# Altium PCB HIL_RIG_REV_1_2.PcbDoc (part 1 of 14) (continued)
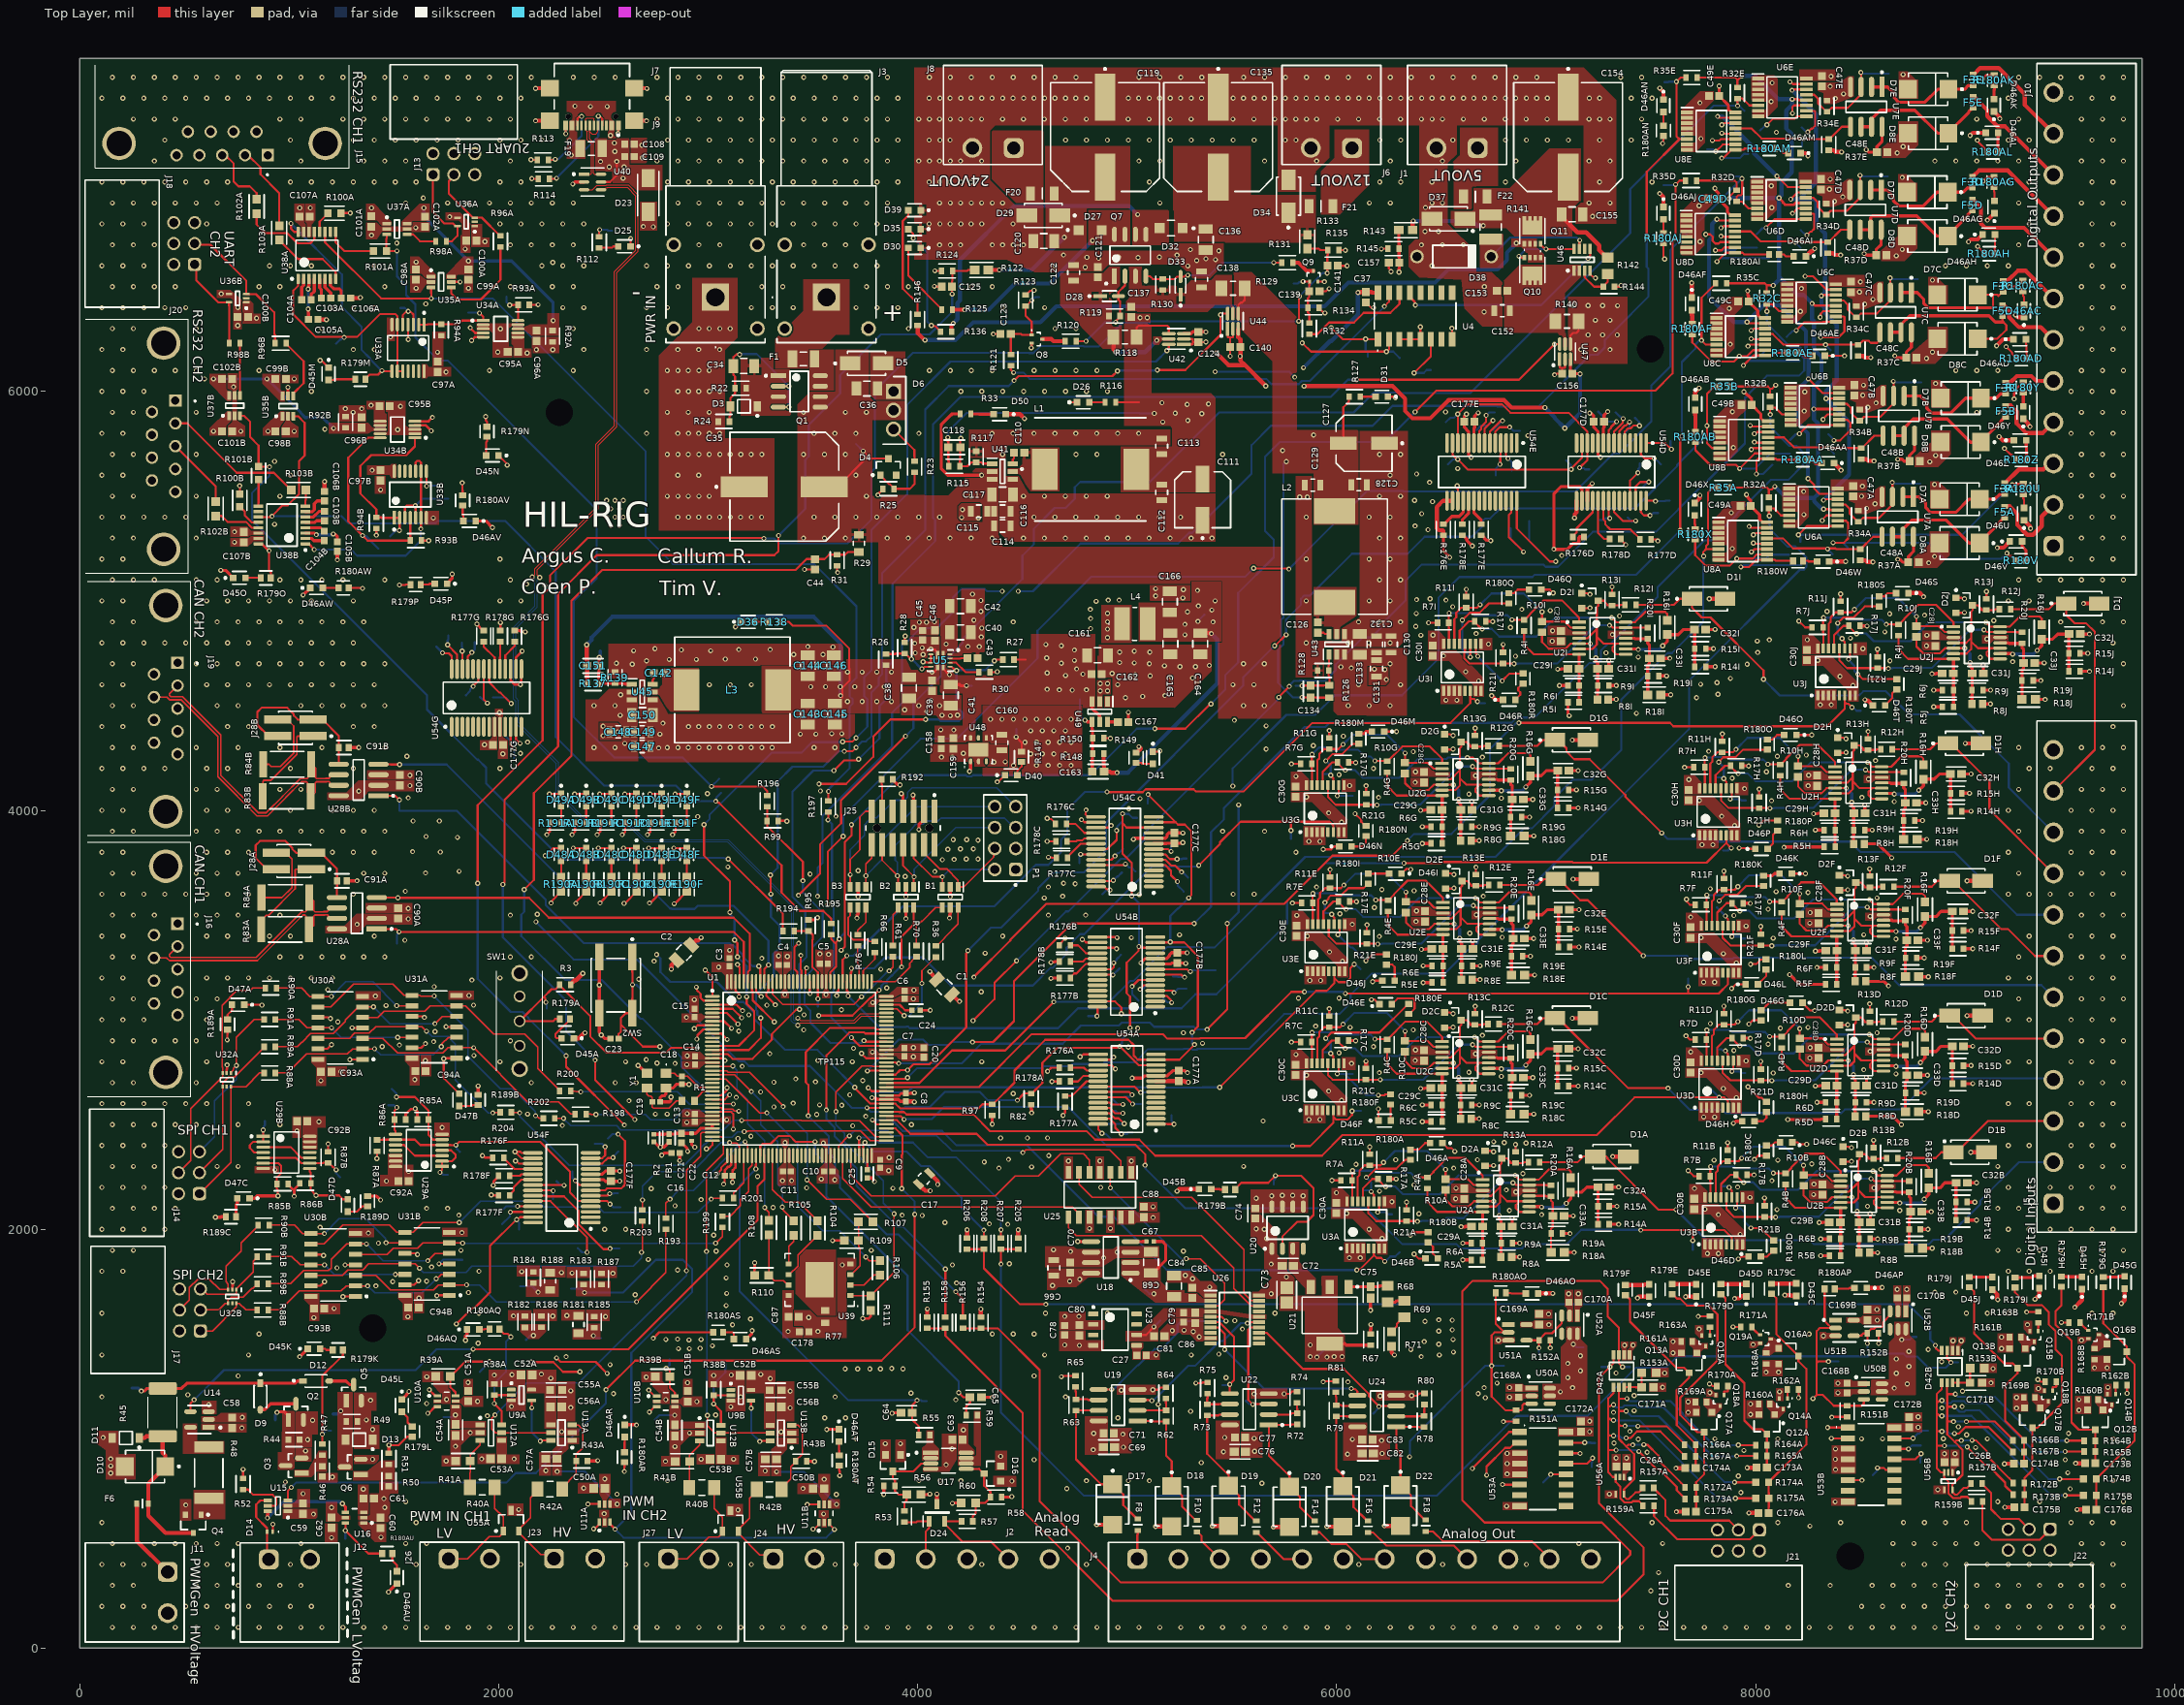
[diagram p0: Top Layer view]
## Design rules (kind name [scope] priority, off if disabled: settings) (continued)
Width QSPI_Controlled_Impedence [InNetClass('QSPI_NET_CLASS')] p3: maxlimit=20.53 minlimit=6.12 preferedwidth=20.53 toplayer_maxwidth=6.12 toplayer_prefwidth=6.12 midlayer1_minwidth=20.53 midlayer2_minwidth=20.53 bottomlayer_maxwidth=6.12 bottomlayer_prefwidth=6.12 impedanceprofiledriven=TRUE impedanceprofileid={D35CEFCE-DBD3-4171-97E0-628DD17F31B4} impedanceprofilevalue=50.000000 minimp=50.000000 maximp=50.000000 favimp=50.000000
Width PWR_SENSE_ANALOG_width [InNetClass('PWR_SENSE_ANALOG')] p4: maxlimit=15 minlimit=6 preferedwidth=10
Width PWR_CONTROL_width [InNetClass('PWR_CONTROL')] p5: maxlimit=20 minlimit=6 preferedwidth=10
Width PWR_CONVERTER_LOCAL_width [InNetClass('PWR_CONVERTER_LOCAL')] p6: maxlimit=40 minlimit=8 preferedwidth=12
Width PWR_SWITCHING_NODE_width [InNetClass('PWR_SWITCHING_NODE')] p7: maxlimit=120 minlimit=15 preferedwidth=30
Width PWR_INTERNAL_SUPPLY_width [InNetClass('PWR_INTERNAL_SUPPLY')] p8: maxlimit=100 minlimit=10 preferedwidth=20
Width PWR_OUTPUT_SUPPLY_width [InNetClass('PWR_OUTPUT_SUPPLY')] p9: maxlimit=200 minlimit=20 preferedwidth=40
Width DefaultWidth [All] p10: maxlimit=50 minlimit=6 preferedwidth=10 minimp=50.000000 maximp=50.000000 favimp=50.000000 // Default Trace Width
16 further rules are at their usual default settings.

## Classes and differential pairs
differential pair class USB_DIFF_PAIR: CON_D USB_D
differential pair class CAN_DIFF_PAIR: CAN_OUTA CAN_OUTB
net class PWM_CAPTURE_NET_CLASS: PWM_IN_HVA PWM_IN_HVB PWM_IN_LVA PWM_IN_LVB VSENSE_HVA VSENSE_HVB VSENSE_LVA VSENSE_LVB
net class SPI_NET_CLASS: AO_MCU_nCS AO_MCU_SCK AO_MCU_SDI DAC_nCS DAC_SCK DAC_SDI MCU_SPI_MISO_RAW_CH1 MCU_SPI_MISO_RAW_CH2 MCU_SPI_MOSI_RAW_CH1 MCU_SPI_MOSI_RAW_CH2 MCU_SPI_NCS_RAW_CH1 MCU_SPI_NCS_RAW_CH2 MCU_SPI_SCLK_RAW_CH1 MCU_SPI_SCLK_RAW_CH2 SPI_MISO_OUT_UNPROTECTEDA SPI_MISO_OUT_UNPROTECTEDB SPI_MISO_OUTA SPI_MISO_OUTB SPI_MISOA SPI_MISOB SPI_MOSI_OUT_UNPROTECTEDA SPI_MOSI_OUT_UNPROTECTEDB SPI_MOSI_OUTA SPI_MOSI_OUTB SPI_MOSIA SPI_MOSIB SPI_NCS_OUT_UNPROTECTEDA SPI_NCS_OUT_UNPROTECTEDB SPI_NCS_OUTA SPI_NCS_OUTB SPI_NCSA SPI_NCSB SPI_SCLK_OUT_UNPROTECTEDA SPI_SCLK_OUT_UNPROTECTEDB SPI_SCLK_OUTA SPI_SCLK_OUTB SPI_SCLKA SPI_SCLKB
net class QSPI_NET_CLASS: QSPI_IO0 QSPI_IO0_FLASH QSPI_IO1 QSPI_IO1_FLASH QSPI_IO2 QSPI_IO2_FLASH QSPI_IO3 QSPI_IO3_FLASH QSPI_NCS QSPI_SCK QSPI_SCK_FLASH
component class LED_TTL_EN2: D45P R179P
component class LED_10K_SEL2: D45J R179J
component class LED_TTL_EN1: D45N R179N
component class LED_RS232_EN2: D45O R179O
net class PWR_CONTROL: 5V_OUT_common_gate 5V_OUT_EN 5V_RAIL_SMPS_EN 12V_base 12V_gate 12V_OUT_EN 12V_OUT_EN_Filtered 12V_OUT_Gate 24V_base 24V_gate 24V_OUT_EN 24V_OUT_EN_Filtered 24V_OUT_Gate NMOS_gate THYRISTOR_GATE VIN_Polarity_Gate
net class PWR_SENSE_ANALOG: 3V3_Feedback 5V_Feedback 5V_OUT_Current_ADC 5V_OUT_Volt_ADC 5V_OV_detect 12V_Feedback 12V_OUT_Current_ADC 12V_OUT_Volt_ADC 24V_Feedback 24V_OUT_Current_ADC 24V_OUT_Volt_ADC VIN_ADC
net class PWR_CONVERTER_LOCAL: 3V3_VBST 5V_CB 12V_CB 24V_CB
net class PWR_SWITCHING_NODE: 3V3_SW 5V_SW 12V_SW 24V_SW
net class PWR_OUTPUT_SUPPLY: 5V_OUT 5V_OUT_common_source 5V_OUT_shunted 5V_OUT_unfused 12V_OUT 12V_OUT_Collector 12V_OUT_Drain 12V_OUT_Rectified 12V_OUT_Shunted 24V_OUT 24V_OUT_Collector 24V_OUT_Drain 24V_OUT_Rectified 24V_OUT_Shunted
net class PWR_INTERNAL_SUPPLY: 3V3 5V 5V_REGULATED 12V 24V VDD_REGULATED
component class "Room Definition4": B1 B2 B3 J25 P1 R192
component class "Room Definition3": D48A D48B D48C D48D D48E D48F D49A D49B D49C D49D D49E D49F R190A R190B R190C R190D R190E R190F R191A R191B R191C R191D R191E R191F
component class "Room Definition2": D48A D48B D48C D48D D48E D48F D49A D49B D49C D49D D49E D49F R190B R190C R190D R190E R190F R191A R191B R191C R191D R191E R191F
component class "Room Definition1": B1 B2 B3 J25 R192
component class PowerOutput: C37 C119 C120 C121 C122 C123 C124 C125 C135 C136 C137 C138 C139 C140 C141 C152 C153 C154 C155 C156 C157 D27 D28 D29 D30 D32 D33 D34 D35 D37 D38 D39 F20 F21 F22 J1 J6 J8 Q7 Q8 Q9 Q10 Q11 R118 R119 R120 R121 R122 R123 R124 R125 R129 R130 R131 R132 R133 R134 R135 R136 R140 R141 R142 R143 R144 R145 R146 TP10 TP11 TP12 TP65 TP68 TP71 U4 U42 U44 U46 U47
component class 24V_Generation: C110 C111 C112 C113 C114 C115 C116 C117 C118 D26 L1 R115 R116 R117 TP63 TP64 U41
component class 12V_Generation: C126 C127 C128 C129 C130 C131 C132 C133 C134 D31 L2 R126 R127 R128 TP66 TP67 U43
component class 5V_Generation: C142 C143 C144 C145 C146 C147 C148 C149 C150 C151 D36 L3 R137 R138 R139 TP69 TP70 U45
component class USB: C108 C109 D25 F19 J9 R112 R113 R114 TP62 U40
component class 5V_Source_Selection: C38 C39 C40 C41 C42 C43 C45 C46 R26 R27 R28 R30 TP13 TP14 U5
component class Power_Input: C34 C35 C36 C44 D3 D4 D5 D6 F1 J3 J7 Q1 R22 R23 R24 R25 R29 R31 TP9
component class LED_VSEL_S110: D46T R180T
component class LED_VSEL_S19: D46R R180R
component class LED_VSEL_S18: D46P R180P
component class LED_VSEL_S17: D46N R180N
component class LED_VSEL_S16: D46L R180L
component class LED_VSEL_S15: D46J R180J
component class LED_VSEL_S14: D46H R180H
component class LED_VSEL_S13: D46F R180F
component class LED_VSEL_S12: D46D R180D
component class LED_VSEL_S11: D46B R180B
component class LED_VSEL_S010: D46S R180S
component class LED_VSEL_S09: D46Q R180Q
component class LED_VSEL_S08: D46O R180O
component class LED_VSEL_S07: D46M R180M
component class LED_VSEL_S06: D46K R180K
component class LED_VSEL_S05: D46I R180I
component class LED_VSEL_S04: D46G R180G
component class LED_VSEL_S03: D46E R180E
component class LED_VSEL_S02: D46C R180C
component class LED_VSEL_S01: D46A R180A
component class LED_UART_MODE12: D46AW R180AW
component class LED_UART_MODE11: D46AV R180AV
component class LED_PWM_GEN_24V_EN: D45L R179L
component class LED_2K2_SEL2: D45H R179H
component class LED_SPI_SLAVE_EN2: D47D R189D
component class LED_SPI_SLAVE_EN1: D47B R189B
component class LED_SPI_MASTER_EN2: D47C R189C
component class LED_SPI_MASTER_EN1: D47A R189A
component class LED_RS232_EN1: D45M R179M
component class LED_PWM_GEN_12V_EN: D45K R179K
component class LED_Red_5: D48F R190F
component class LED_Red_4: D48E R190E
component class LED_Red_3: D48D R190D
component class LED_Red_2: D48C R190C
component class LED_Red_1: D48B R190B
component class LED_Red_0: D48A R190A
component class LED_PWM_MODE_12: D46AT R180AT
component class LED_PWM_MODE_11: D46AR R180AR
component class LED_PWM_MODE_02: D46AS R180AS
component class LED_PWM_MODE_01: D46AQ R180AQ
component class LED_PWM_GEN_24V_EN: D45H R179H
component class LED_1k_SEL2: D45G R179G
component class LED_LV_VSEL: D46AU R180AU
component class LED_I2C_V_SEL2: D46AP R180AP
component class LED_I2C_V_SEL1: D46AO R180AO
component class LED_DO_B_VSEL_A15: D46AN R180AN
component class LED_DO_B_VSEL_A14: D46AJ R180AJ
component class LED_DO_B_VSEL_A13: D46AF R180AF
component class LED_DO_B_VSEL_A12: D46AB R180AB
component class LED_DO_B_VSEL_A11: D46X R180X
component class LED_DO_B_VSEL_A05: D46AM R180AM
component class LED_DO_B_VSEL_A04: D46AI R180AI
component class LED_DO_B_VSEL_A03: D46AE R180AE
component class LED_DO_B_VSEL_A02: D46AA R180AA
component class LED_DO_B_VSEL_A01: D46W R180W
component class LED_DO_A_VSEL_A15: D46AL R180AL
component class LED_DO_A_VSEL_A14: D46AH R180AH
component class LED_DO_A_VSEL_A13: D46AD R180AD
component class LED_DO_A_VSEL_A12: D46Z R180Z
component class LED_DO_A_VSEL_A11: D46V R180V
component class LED_DO_A_VSEL_A05: D46AK R180AK
component class LED_DO_A_VSEL_A04: D46AG R180AG
component class LED_DO_A_VSEL_A03: D46AC R180AC
component class LED_DO_A_VSEL_A02: D46Y R180Y
component class LED_DO_A_VSEL_A01: D46U R180U
component class LED_Blue_5: D49F R191F
component class LED_Blue_4: D49E R191E
component class LED_Blue_3: D49D R191D
component class LED_Blue_2: D49C R191C
component class LED_Blue_1: D49B R191B
component class LED_Blue_0: D49A R191A
component class LED_AO_EN2: D45B R179B
component class LED_AO_EN1: D45A R179A
component class LED_10K_SEL1: D45D
component class LED_10K_SEL1: D45F R179F
component class LED_4K7_SEL2: D45I R179I
component class LED_4K7_SEL1: D45E R179E
component class LED_2K2_SEL2: D45D
component class LED_2K2_SEL1: D45D R179D
component class LED_1k_SEL2: D45C
component class LED_1k_SEL1: D45C R179C
component class UART_CH1: C95A C96A C97A C98A C99A C100A C101A C102A C103A C104A C105A C106A C107A R92A R93A R94A R96A R98A R100A R101A R102A R103A TP52A TP53A TP54A TP55A TP56A TP57A U33A U34A U35A U36A U37A U38A
component class Output_Expander_IC_DI_2: C177C R176C R177C R178C TP47C TP84C TP85C TP86C TP87C TP90C TP91C TP96C TP97C TP98C TP99C TP116C U54C
component class Output_Expander_IC_DO_A0: C177D R176D R177D R178D TP47D TP84D TP85D TP88D TP89D TP90D TP91D TP92D TP93D TP96D TP97D TP98D TP99D TP116D U54D
component class Output_Expander_IC_DI_1: C177B R176B R177B R178B TP47B TP84B TP85B TP90B TP91B TP94B TP95B TP96B TP97B TP98B TP99B TP116B U54B
component class Output_Expander_IC_COM_CTL_1: C177A R176A R177A R178A TP47A TP84A TP85A TP86A TP87A TP88A TP89A TP90A TP91A TP92A TP116A U54A
component class Output_Expander_IC_UART_PWR: C177G R176G R177G R178G TP47G TP84G TP85G TP86G TP88G TP89G TP90G TP91G TP116G U54G
component class Output_Expander_IC_PMW_SPI: C177F R176F R177F R178F TP47F TP84F TP85F TP86F TP87F TP88F TP89F TP90F TP96F TP97F TP98F TP99F TP116F U54F
component class Output_Expander_IC_DO_A1: C177E R176E R177E R178E TP47E TP90E TP91E TP94E TP95E TP96E TP97E TP98E TP99E TP116E U54E
net class DO_A1_[1..5]: DO_A1_1 DO_A1_2 DO_A1_3 DO_A1_4 DO_A1_5 DO_A1_6 DO_A1_7 DO_A1_8 DO_A1_9 DO_A1_10
net class DO_A0_[6..10]: DO_A0_1 DO_A0_2 DO_A0_3 DO_A0_4 DO_A0_5 DO_A0_6 DO_A0_7 DO_A0_8 DO_A0_9 DO_A0_10
channel class UART: UART_CH1 UART_CH2
channel class SPI: SPI_CH1 SPI_CH2
channel class PWM_Input: PWM_CAPTURE_CH1 PWM_CAPTURE_CH2
channel class Output_Expander_IC: Output_Expander_IC_COM_CTL_1 Output_Expander_IC_DI_1 Output_Expander_IC_DI_2 Output_Expander_IC_DO_A0 Output_Expander_IC_DO_A1 Output_Expander_IC_PMW_SPI Output_Expander_IC_UART_PWR
channel class LED_RED_Direct_BRIGHT: LED_Red_0 LED_Red_1 LED_Red_2 LED_Red_3 LED_Red_4 LED_Red_5
channel class LED_Orange_Direct: LED_DO_A_VSEL_A01 LED_DO_A_VSEL_A02 LED_DO_A_VSEL_A03 LED_DO_A_VSEL_A04 LED_DO_A_VSEL_A05 LED_DO_A_VSEL_A11 LED_DO_A_VSEL_A12 LED_DO_A_VSEL_A13 LED_DO_A_VSEL_A14 LED_DO_A_VSEL_A15 LED_DO_B_VSEL_A01 LED_DO_B_VSEL_A02 LED_DO_B_VSEL_A03 LED_DO_B_VSEL_A04 LED_DO_B_VSEL_A05 LED_DO_B_VSEL_A11 LED_DO_B_VSEL_A12 LED_DO_B_VSEL_A13 LED_DO_B_VSEL_A14 LED_DO_B_VSEL_A15 LED_I2C_V_SEL1 LED_I2C_V_SEL2 LED_LV_VSEL LED_PWM_MODE_01 LED_PWM_MODE_02 LED_PWM_MODE_11 LED_PWM_MODE_12 LED_UART_MODE11 LED_UART_MODE12 LED_VSEL_S01 LED_VSEL_S02 LED_VSEL_S03 LED_VSEL_S04 LED_VSEL_S05 LED_VSEL_S06 LED_VSEL_S07 LED_VSEL_S08 LED_VSEL_S09 LED_VSEL_S010 LED_VSEL_S11 LED_VSEL_S12 LED_VSEL_S13 LED_VSEL_S14 LED_VSEL_S15 LED_VSEL_S16 LED_VSEL_S17 LED_VSEL_S18 LED_VSEL_S19 LED_VSEL_S110
channel class LED_Green_Direct_ActiveLow: LED_SPI_MASTER_EN1 LED_SPI_MASTER_EN2 LED_SPI_SLAVE_EN1 LED_SPI_SLAVE_EN2
channel class Led_Green_Direct: LED_1k_SEL1 LED_1k_SEL2 LED_2K2_SEL1 LED_2K2_SEL2 LED_4K7_SEL1 LED_4K7_SEL2 LED_10K_SEL1 LED_10K_SEL2 LED_AO_EN1 LED_AO_EN2 LED_PWM_GEN_12V_EN LED_PWM_GEN_24V_EN LED_RS232_EN1 LED_RS232_EN2 LED_TTL_EN1 LED_TTL_EN2
channel class LED_Blue_Direct_BRIGHT: LED_Blue_0 LED_Blue_1 LED_Blue_2 LED_Blue_3 LED_Blue_4 LED_Blue_5
channel class I2C: I2C_CH1 I2C_CH2
channel class Digital_Output: Digital_Output_CH1 Digital_Output_CH2 Digital_Output_CH3 Digital_Output_CH4 Digital_Output_CH5
channel class Digital_Input: Digital_Input_CH1 Digital_Input_CH2 Digital_Input_CH3 Digital_Input_CH4 Digital_Input_CH5 Digital_Input_CH6 Digital_Input_CH7 Digital_Input_CH8 Digital_Input_CH9 Digital_Input_CH10
channel class CAN: CAN_CH1 CAN_CH2
net class DO_A1_[6..10]: DO_A1_1 DO_A1_2 DO_A1_3 DO_A1_4 DO_A1_5 DO_A1_6 DO_A1_7 DO_A1_8 DO_A1_9 DO_A1_10
net class DO_A0_[1..5]: DO_A0_1 DO_A0_2 DO_A0_3 DO_A0_4 DO_A0_5 DO_A0_6 DO_A0_7 DO_A0_8 DO_A0_9 DO_A0_10
net class DI_S1_[1..10]: DI_S1_1 DI_S1_2 DI_S1_3 DI_S1_4 DI_S1_5 DI_S1_6 DI_S1_7 DI_S1_8 DI_S1_9 DI_S1_10
net class DI_S0_[1..10]: DI_S0_1 DI_S0_2 DI_S0_3 DI_S0_4 DI_S0_5 DI_S0_6 DI_S0_7 DI_S0_8 DI_S0_9 DI_S0_10
component class UART_CH2: 2 C95B C96B C97B C98B C99B C100B C101B C102B C103B C104B C105B C106B C107B R92B R93B R94B R96B R98B R100B R101B R102B R103B TP52B TP53B TP54B TP55B TP56B TP57B U33B U34B U35B U36B U37B U38B
component class SPI_CH2: C92B C93B C94B R85B R86B R87B R88B R89B R90B R91B TP48B TP49B TP50B TP51B U29B U30B U31B U32B
component class SPI_CH1: C92A C93A C94A R85A R86A R87A R88A R89A R90A R91A TP48A TP49A TP50A TP51A U29A U30A U31A U32A
component class PWM_GENERATION: C58 C59 C60 C61 C62 D9 D10 D11 D12 D13 D14 F6 Q2 Q3 Q4 Q5 Q6 R44 R45 R46 R47 R48 R49 R50 R51 R52 TP29 TP30 TP31 TP32 TP33 TP34 TP111 U14 U15 U16
component class PWM_CAPTURE_VREF: R181 R182 R183 R184 R185 R186 R187 R188 TP100 TP101 TP102 TP103
component class PWM_CAPTURE_CH2: C50B C51B C52B C53B C54B C55B C56B C57B R38B R39B R40B R41B R42B R43B TP21B TP22B TP23B TP24B TP25B TP27B U9B U10B U11B U12B U13B U55B
component class PWM_CAPTURE_CH1: C50A C51A C52A C53A C54A C55A C56A C57A R38A R39A R40A R41A R42A R43A TP21A TP22A TP23A TP24A TP25A TP27A U9A U10A U11A U12A U13A U55A
component class MCU: C1 C2 C3 C4 C5 C6 C7 C8 C9 C10 C11 C12 C13 C14 C15 C16 C17 C18 C19 C20 C21 C22 C23 C24 C25 FB1 R1 R2 R3 R36 R61 R66 R70 R76 R82 R95 R97 R99 R154 R155 R156 R158 R193 R194 R195 R196 R197 R198 R199 R200 R201 R202 R203 R204 R205 R206 R207 R208 SW1 SW2 TP1 TP2 TP58 TP59 TP60 TP61 TP105 TP106 TP107 TP108 TP114 TP115 U1 Y1
component class I2C_CH2: C26B C168B C169B C170B C171B C172B C173B C174B C175B C176B D42B Q12B Q13B Q14B Q15B Q16B Q17B Q18B Q19B R151B R152B R153B R157B R159B R160B R161B R162B R163B R164B R165B R166B R167B R168B R169B R170B R171B R172B R173B R174B R175B TP75B TP76B TP77B TP78B TP79B TP80B TP81B TP82B TP83B U50B U51B U52B U53B U56B
component class I2C_CH1: C26A C168A C169A C170A C171A C172A C173A C174A C175A C176A D42A Q12A Q13A Q14A Q15A Q16A Q17A Q18A Q19A R151A R152A R153A R157A R159A R160A R161A R162A R163A R164A R165A R166A R167A R168A R169A R170A R171A R172A R173A R174A R175A TP75A TP76A TP77A TP78A TP79A TP80A TP81A TP82A TP83A U50A U51A U52A U53A U56A
component class "External Flash": C87 C178 R77 R104 R105 R106 R107 R108 R109 R110 R111 U39
component class Digital_Output_CH5: C47E C48E C49E D7E D8E F3E F5E R32E R34E R35E R37E TP15E TP16E TP17E TP18E TP19E TP20E TP109E TP110E U6E U7E U8E
component class Digital_Output_CH4: C47D C48D C49D D7D D8D F3D F5D R32D R34D R35D R37D TP15D TP16D TP17D TP18D TP19D TP20D TP109D TP110D U6D U7D U8D
component class Digital_Output_CH3: C47C C48C C49C D7C D8C F3C F5C R32C R34C R35C R37C TP15C TP16C TP17C TP18C TP19C TP20C TP109C TP110C U6C U7C U8C
component class Digital_Output_CH2: C47B C48B C49B D7B D8B F3B F5B R32B R34B R35B R37B TP15B TP16B TP17B TP18B TP19B TP20B TP109B TP110B U6B U7B U8B
component class Digital_Output_CH1: C47A C48A C49A D7A D8A F3A F5A R32A R34A R35A R37A TP15A TP16A TP17A TP18A TP19A TP20A TP109A TP110A U6A U7A U8A
component class Digital_Input_CH10: C28J C29J C30J C31J C32J C33J D1J D2J R4J R5J R6J R7J R8J R9J R10J R11J R12J R13J R14J R15J R16J R17J R18J R19J R20J R21J TP3J TP4J TP5J TP6J TP7J TP8J TP26J U2J U3J
component class Digital_Input_CH9: C28I C29I C30I C31I C32I C33I D1I D2I R4I R5I R6I R7I R8I R9I R10I R11I R12I R13I R14I R15I R16I R17I R18I R19I R20I R21I TP3I TP4I TP5I TP6I TP7I TP8I TP26I U2I U3I
component class Digital_Input_CH8: C28H C29H C30H C31H C32H C33H D1H D2H R4H R5H R6H R7H R8H R9H R10H R11H R12H R13H R14H R15H R16H R17H R18H R19H R20H R21H TP3H TP4H TP5H TP6H TP7H TP8H TP26H U2H U3H
component class Digital_Input_CH7: C28G C29G C30G C31G C32G C33G D1G D2G R4G R5G R6G R7G R8G R9G R10G R11G R12G R13G R14G R15G R16G R17G R18G R19G R20G R21G TP3G TP4G TP5G TP6G TP7G TP8G TP26G U2G U3G
component class Digital_Input_CH6: C28F C29F C30F C31F C32F C33F D1F D2F R4F R5F R6F R7F R8F R9F R10F R11F R12F R13F R14F R15F R16F R17F R18F R19F R20F R21F TP3F TP4F TP5F TP6F TP7F TP8F TP26F U2F U3F
component class Digital_Input_CH5: C28E C29E C30E C31E C32E C33E D1E D2E R4E R5E R6E R7E R8E R9E R10E R11E R12E R13E R14E R15E R16E R17E R18E R19E R20E R21E TP3E TP4E TP5E TP6E TP7E TP8E TP26E U2E U3E
component class Digital_Input_CH4: C28D C29D C30D C31D C32D C33D D1D D2D R4D R5D R6D R7D R8D R9D R10D R11D R12D R13D R14D R15D R16D R17D R18D R19D R20D R21D TP3D TP4D TP5D TP6D TP7D TP8D TP26D U2D U3D
component class Digital_Input_CH3: C28C C29C C30C C31C C32C C33C D1C D2C R4C R5C R6C R7C R8C R9C R10C R11C R12C R13C R14C R15C R16C R17C R18C R19C R20C R21C TP3C TP4C TP5C TP6C TP7C TP8C TP26C U2C U3C
component class Digital_Input_CH2: C28B C29B C30B C31B C32B C33B D1B D2B R4B R5B R6B R7B R8B R9B R10B R11B R12B R13B R14B R15B R16B R17B R18B R19B R20B R21B TP3B TP4B TP5B TP6B TP7B TP8B TP26B U2B U3B
component class Digital_Input_CH1: C28A C29A C30A C31A C32A C33A D1A D2A R4A R5A R6A R7A R8A R9A R10A R11A R12A R13A R14A R15A R16A R17A R18A R19A R20A R21A TP3A TP4A TP5A TP6A TP7A TP8A TP26A U2A U3A
component class CAN_CH2: C90B C91B J28B R83B R84B TP112B TP113B U28B
component class CAN_CH1: C90A C91A J28A R83A R84A TP112A TP113A U28A
component class "Analogue Output": C27 C66 C67 C68 C69 C70 C71 C72 C73 C74 C75 C76 C77 C78 C79 C80 C81 C82 C83 C84 C85 C86 C88 D17 D18 D19 D20 D21 D22 F8 F10 F12 F14 F16 F18 R62 R63 R64 R65 R67 R68 R69 R71 R72 R73 R74 R75 R78 R79 R80 R81 TP37 TP38 TP39 TP40 TP41 TP42 TP43 TP44 TP45 TP46 U18 U19 U20 U21 U22 U23 U24 U25 U26
component class "Analogue Input": C63 C64 C65 D15 D16 D24 R53 R54 R55 R56 R57 R58 R59 R60 TP35 TP36 U17
component class 3V3_Smooth: C158 C159 C160 D40 R147 TP72 U48
component class 3V3_High_Current: C161 C162 C163 C164 C165 C166 C167 D41 L4 R148 R149 R150 TP73 TP74 U49
differential pair USB_D: +USB_D_P -USB_D_N
differential pair CON_D: +CON_D_P -CON_D_N
differential pair CAN_OUTB: +CAN_OUTB_H -CAN_OUTB_L
differential pair CAN_OUTA: +CAN_OUTA_H -CAN_OUTA_L

## Components (designator, comment, footprint, x,y, rotation, side; value= is the part's Value field where it differs from the comment)
B1 "USBLC6-2SC6" SOT95P280X145-6N 4155.4,3585.64 r270 top
B2 "USBLC6-2SC6" SOT95P280X145-6N 3943.7,3585.7 r270 top
B3 "USBLC6-2SC6" SOT95P280X145-6N 3715.4,3585.64 r270 top
C1 "GRM31CR71E106KA12L" FP-GRM31C-0_2-e0_3_0_8-IPC_C 4128.12,3156.25 r315 top value=10µF
C2 "GRM31CR71E106KA12L" FP-GRM31C-0_2-e0_3_0_8-IPC_C 2884.12,3321.25 r225 top value=10µF
C3 "GRM155R71A104KA01D" CAPC1005X55X25ML05T10 3102,3275.29 r270 top value=100nF
C4 "GRM155R71A104KA01D" CAPC1005X55X25ML05T10 3356,3262 r180 top value=100nF
C5 "GRM155R71A104KA01D" CAPC1005X55X25ML05T10 3552,3268 r180 top value=100nF
C6 "GRM155R71A104KA01D" CAPC1005X55X25ML05T10 3938,3120 r90 top value=100nF
C7 "GRM155R71A104KA01D" CAPC1005X55X25ML05T10 3936,2846 r90 top value=100nF
C8 "GRM155R71A104KA01D" CAPC1005X55X25ML05T10 3944,2630 r90 top value=100nF
C9 "GRM155R71A104KA01D" CAPC1005X55X25ML05T10 3822,2312.71 r90 top value=100nF
C10 "GRM155R71A104KA01D" CAPC1005X55X25ML05T10 3574,2276 r0 top value=100nF
C11 "GRM155R71A104KA01D" CAPC1005X55X25ML05T10 3376,2276 r0 top value=100nF
C12 "GRM155R71A104KA01D" CAPC1005X55X25ML05T10 3098,2256 r0 top value=100nF
C13 "GRM155R71A104KA01D" CAPC1005X55X25ML05T10 2936,2532 r90 top value=100nF
C14 "GRM155R71A104KA01D" CAPC1005X55X25ML05T10 2938,2806 r270 top value=100nF
C15 "GRM155R71A104KA01D" CAPC1005X55X25ML05T10 2935.87,3032.75 r270 top value=100nF
C16 "GRM155R71A104KA01D" CAPC1005X55X25ML05T10 2845.07,2363.95 r180 top value=100nF
C17 "GRM21BZ71H475KE15L" FP-GRM21B-0_2-e0_2_0_7-MFG 4030,2242 r45 top value=4.7µF
C18 "GJM1555C1H140FB01D" FP-GJM155-0_05-IPC_A 2875.07,2711.95 r270 top value=14pF
C19 "GJM1555C1H140FB01D" FP-GJM155-0_05-IPC_A 2752,2608 r0 top value=14pF
C20 "Capacitor 1 uF +/- 10% 25 V 0603" CAPC1608X90X40LL10T20 4030,2844 r90 top value=1µF
C21 "Capacitor 1 uF +/- 10% 25 V 0603" CAPC1608X90X40LL10T20 2873.07,2435.31 r90 top value=1µF
C22 "Capacitor 10nF +/-20% 50V 0402" CAPC0402(1005)60_L 2921.07,2440.24 r90 top value=10nF
C23 "GRM155R71A104KA01D" CAPC1005X55X25ML05T10 2553.07,2909.95 r0 top value=100nF
C24 "CC0402KRX5R6BB225" FP-CC0402-IPC_A 3992,3046 r0 top value=2.2µF
C25 "CC0402KRX5R6BB225" FP-CC0402-IPC_A 3760.14,2264.48 r270 top value=2.2µF
C26A "Capacitor 100 nF +/-10% 50 V 0603" CAPC1608X90X40NL10T20#1 7359.39,868 r180 top value=100nF (schematic designator C26)
C26B "Capacitor 100 nF +/-10% 50 V 0603" CAPC1608X90X40NL10T20#1 8927,889 r180 top value=100nF (schematic designator C26)
C27 "Capacitor 1 uF +/- 10% 25 V 0603" CAPC1608X90X40LL10T20 5068.64,1398 r0 top value=1µF
C28A "Capacitor 100 nF +/-10% 50 V 0603" CAPC1608X90X40NL10T20#1 6609.89,2169.79 r270 top value=100nF (schematic designator C28)
C28B "Capacitor 100 nF +/-10% 50 V 0603" CAPC1608X90X40NL10T20#1 8318.89,2189.79 r270 top value=100nF (schematic designator C28)
C28C "Capacitor 100 nF +/-10% 50 V 0603" CAPC1608X90X40NL10T20#1 6416.89,2829.79 r270 top value=100nF (schematic designator C28)
C28D "Capacitor 100 nF +/-10% 50 V 0603" CAPC1608X90X40NL10T20#1 8300.89,2841.79 r270 top value=100nF (schematic designator C28)
C28E "Capacitor 100 nF +/-10% 50 V 0603" CAPC1608X90X40NL10T20#1 6420.89,3493.79 r270 top value=100nF (schematic designator C28)
C28F "Capacitor 100 nF +/-10% 50 V 0603" CAPC1608X90X40NL10T20#1 8300.89,3485.79 r270 top value=100nF (schematic designator C28)
C28G "Capacitor 100 nF +/-10% 50 V 0603" CAPC1608X90X40NL10T20#1 6416.89,4157.79 r270 top value=100nF (schematic designator C28)
C28H "Capacitor 100 nF +/-10% 50 V 0603" CAPC1608X90X40NL10T20#1 8292.89,4141.79 r270 top value=100nF (schematic designator C28)
C28I "Capacitor 100 nF +/-10% 50 V 0603" CAPC1608X90X40NL10T20#1 7070.89,4831.79 r270 top value=100nF (schematic designator C28)
C28J "Capacitor 100 nF +/-10% 50 V 0603" CAPC1608X90X40NL10T20#1 8857.89,4809.79 r270 top value=100nF (schematic designator C28)
C29A "CC0603KRX7R7BB102" FP-CC0603-DA-IPC_B#1 6670.13,2014 r180 top value=1nF (schematic designator C29)
C29B "CC0603KRX7R7BB102" FP-CC0603-DA-IPC_B#1 8379.13,2034 r180 top value=1nF (schematic designator C29)
C29C "CC0603KRX7R7BB102" FP-CC0603-DA-IPC_B#1 6477.13,2674 r180 top value=1nF (schematic designator C29)
C29D "CC0603KRX7R7BB102" FP-CC0603-DA-IPC_B#1 8361.13,2686 r180 top value=1nF (schematic designator C29)
C29E "CC0603KRX7R7BB102" FP-CC0603-DA-IPC_B#1 6481.13,3338 r180 top value=1nF (schematic designator C29)
C29F "CC0603KRX7R7BB102" FP-CC0603-DA-IPC_B#1 8361.13,3330 r180 top value=1nF (schematic designator C29)
C29G "CC0603KRX7R7BB102" FP-CC0603-DA-IPC_B#1 6477.13,4002 r180 top value=1nF (schematic designator C29)
C29H "CC0603KRX7R7BB102" FP-CC0603-DA-IPC_B#1 8353.13,3986 r180 top value=1nF (schematic designator C29)
C29I "CC0603KRX7R7BB102" FP-CC0603-DA-IPC_B#1 7131.13,4676 r180 top value=1nF (schematic designator C29)
C29J "CC0603KRX7R7BB102" FP-CC0603-DA-IPC_B#1 8918.13,4654 r180 top value=1nF (schematic designator C29)
C30A "Capacitor 100 nF +/-10% 50 V 0603" CAPC1608X90X40NL10T20#1 5997.89,2101.19 r270 top value=100nF (schematic designator C30)
C30B "Capacitor 100 nF +/-10% 50 V 0603" CAPC1608X90X40NL10T20#1 7706.89,2121.19 r270 top value=100nF (schematic designator C30)
C30C "Capacitor 100 nF +/-10% 50 V 0603" CAPC1608X90X40NL10T20#1 5804.89,2761.19 r270 top value=100nF (schematic designator C30)
C30D "Capacitor 100 nF +/-10% 50 V 0603" CAPC1608X90X40NL10T20#1 7688.89,2773.19 r270 top value=100nF (schematic designator C30)
C30E "Capacitor 100 nF +/-10% 50 V 0603" CAPC1608X90X40NL10T20#1 5808.89,3425.19 r270 top value=100nF (schematic designator C30)
C30F "Capacitor 100 nF +/-10% 50 V 0603" CAPC1608X90X40NL10T20#1 7688.89,3417.19 r270 top value=100nF (schematic designator C30)
C30G "Capacitor 100 nF +/-10% 50 V 0603" CAPC1608X90X40NL10T20#1 5804.89,4089.19 r270 top value=100nF (schematic designator C30)
C30H "Capacitor 100 nF +/-10% 50 V 0603" CAPC1608X90X40NL10T20#1 7680.89,4073.19 r270 top value=100nF (schematic designator C30)
C30I "Capacitor 100 nF +/-10% 50 V 0603" CAPC1608X90X40NL10T20#1 6458.89,4763.19 r270 top value=100nF (schematic designator C30)
C30J "Capacitor 100 nF +/-10% 50 V 0603" CAPC1608X90X40NL10T20#1 8245.89,4741.19 r270 top value=100nF (schematic designator C30)
C31A "CC0603KRX7R7BB102" FP-CC0603-DA-IPC_B#1 6812.13,2014 r0 top value=1nF (schematic designator C31)
C31B "CC0603KRX7R7BB102" FP-CC0603-DA-IPC_B#1 8521.13,2034 r0 top value=1nF (schematic designator C31)
C31C "CC0603KRX7R7BB102" FP-CC0603-DA-IPC_B#1 6619.13,2674 r0 top value=1nF (schematic designator C31)
C31D "CC0603KRX7R7BB102" FP-CC0603-DA-IPC_B#1 8503.13,2686 r0 top value=1nF (schematic designator C31)
C31E "CC0603KRX7R7BB102" FP-CC0603-DA-IPC_B#1 6623.13,3338 r0 top value=1nF (schematic designator C31)
C31F "CC0603KRX7R7BB102" FP-CC0603-DA-IPC_B#1 8503.13,3330 r0 top value=1nF (schematic designator C31)
C31G "CC0603KRX7R7BB102" FP-CC0603-DA-IPC_B#1 6619.13,4002 r0 top value=1nF (schematic designator C31)
C31H "CC0603KRX7R7BB102" FP-CC0603-DA-IPC_B#1 8495.13,3986 r0 top value=1nF (schematic designator C31)
C31I "CC0603KRX7R7BB102" FP-CC0603-DA-IPC_B#1 7273.13,4676 r0 top value=1nF (schematic designator C31)
C31J "CC0603KRX7R7BB102" FP-CC0603-DA-IPC_B#1 9060.13,4654 r0 top value=1nF (schematic designator C31)
C32A "CC0603KRX7R7BB102" FP-CC0603-DA-IPC_B#1 7274.55,2201.79 r0 top value=1nF (schematic designator C32)
C32B "CC0603KRX7R7BB102" FP-CC0603-DA-IPC_B#1 8983.55,2221.79 r0 top value=1nF (schematic designator C32)
C32C "CC0603KRX7R7BB102" FP-CC0603-DA-IPC_B#1 7081.55,2861.79 r0 top value=1nF (schematic designator C32)
C32D "CC0603KRX7R7BB102" FP-CC0603-DA-IPC_B#1 8965.55,2873.79 r0 top value=1nF (schematic designator C32)
C32E "CC0603KRX7R7BB102" FP-CC0603-DA-IPC_B#1 7085.55,3525.79 r0 top value=1nF (schematic designator C32)
C32F "CC0603KRX7R7BB102" FP-CC0603-DA-IPC_B#1 8965.55,3517.79 r0 top value=1nF (schematic designator C32)
C32G "CC0603KRX7R7BB102" FP-CC0603-DA-IPC_B#1 7081.55,4189.79 r0 top value=1nF (schematic designator C32)
C32H "CC0603KRX7R7BB102" FP-CC0603-DA-IPC_B#1 8957.55,4173.79 r0 top value=1nF (schematic designator C32)
C32I "CC0603KRX7R7BB102" FP-CC0603-DA-IPC_B#1 7735.55,4863.79 r0 top value=1nF (schematic designator C32)
C32J "CC0603KRX7R7BB102" FP-CC0603-DA-IPC_B#1 9522.55,4841.79 r0 top value=1nF (schematic designator C32)
C33A "CC0603KRX7R7BB102" FP-CC0603-DA-IPC_B#1 7058.13,2064 r0 top value=1nF (schematic designator C33)
C33B "CC0603KRX7R7BB102" FP-CC0603-DA-IPC_B#1 8767.13,2084 r0 top value=1nF (schematic designator C33)
C33C "CC0603KRX7R7BB102" FP-CC0603-DA-IPC_B#1 6865.13,2724 r0 top value=1nF (schematic designator C33)
C33D "CC0603KRX7R7BB102" FP-CC0603-DA-IPC_B#1 8749.13,2736 r0 top value=1nF (schematic designator C33)
C33E "CC0603KRX7R7BB102" FP-CC0603-DA-IPC_B#1 6869.13,3388 r0 top value=1nF (schematic designator C33)
C33F "CC0603KRX7R7BB102" FP-CC0603-DA-IPC_B#1 8749.13,3380 r0 top value=1nF (schematic designator C33)
C33G "CC0603KRX7R7BB102" FP-CC0603-DA-IPC_B#1 6865.13,4052 r0 top value=1nF (schematic designator C33)
C33H "CC0603KRX7R7BB102" FP-CC0603-DA-IPC_B#1 8741.13,4036 r0 top value=1nF (schematic designator C33)
C33I "CC0603KRX7R7BB102" FP-CC0603-DA-IPC_B#1 7519.13,4726 r0 top value=1nF (schematic designator C33)
C33J "CC0603KRX7R7BB102" FP-CC0603-DA-IPC_B#1 9306.13,4704 r0 top value=1nF (schematic designator C33)
C34 "GRM31C5C2A104JA01L" FP-GRM31C-0_2-e0_3_0_8-IPC_C 3170,6121.64 r180 top value=100nF
C35 "EMVY101ARA101MKE0S" FP-MVYAKE0-MFG 3364.06,5545 r0 top value=100µF
C36 "GRM31C5C2A104JA01L" FP-GRM31C-0_2-e0_3_0_8-IPC_C 3758,6014 r0 top value=100nF
C37 "Capacitor 100 nF +/-10% 50 V 0603" CAPC1608X90X40NL10T20#1 6140,6450 r90 top value=100nF
C38 "GRM31CR71E106KA12L" FP-GRM31C-0_2-e0_3_0_8-IPC_C 3958.22,4585.25 r270 top value=10µF
C39 "Capacitor 100 nF +/-10% 50 V 0603" CAPC1608X90X40NL10T20#1 4068.22,4595.25 r90 top value=100nF
C40 "GRM31CR71E106KA12L" FP-GRM31C-0_2-e0_3_0_8-IPC_C 4203.22,4850.25 r0 top value=10µF
C41 "GRM31CR71E106KA12L" FP-GRM31C-0_2-e0_3_0_8-IPC_C 4158.22,4550.25 r270 top value=10µF
C42 "GRM31CR71E106KA12L" FP-GRM31C-0_2-e0_3_0_8-IPC_C 4203.22,4975.25 r0 top value=10µF
C43 "Capacitor 100 nF +/-10% 50 V 0603" CAPC1608X90X40NL10T20#1 4262,4726 r180 top value=100nF
C44 "Capacitor 100 nF +/-10% 50 V 0603" CAPC1608X90X40NL10T20#1 3510,5175 r90 top value=100nF
C45 "Capacitor 1 uF +/- 10% 25 V 0603" CAPC1608X90X40LL10T20 4024,4836 r90 top value=1µF
C46 "Capacitor 100 nF +/-10% 50 V 0603" CAPC1608X90X40NL10T20#1 4083.22,4835.25 r270 top value=100nF
C47A "Capacitor 100 nF +/-10% 50 V 0603" CAPC1608X90X40NL10T20#1 8466.14,5523.56 r90 top value=100nF (schematic designator C47)
C47B "Capacitor 100 nF +/-10% 50 V 0603" CAPC1608X90X40NL10T20#1 8471.33,6005.75 r90 top value=100nF (schematic designator C47)
C47C "Capacitor 100 nF +/-10% 50 V 0603" CAPC1608X90X40NL10T20#1 8456.16,6499.11 r90 top value=100nF (schematic designator C47)
C47D "Capacitor 100 nF +/-10% 50 V 0603" CAPC1608X90X40NL10T20#1 8312.16,6989.11 r90 top value=100nF (schematic designator C47)
C47E "Capacitor 100 nF +/-10% 50 V 0603" CAPC1608X90X40NL10T20#1 8316.05,7480.56 r90 top value=100nF (schematic designator C47)
C48A "Capacitor 100 nF +/-10% 50 V 0603" CAPC1608X90X40NL10T20#1 8753.98,5184.89 r0 top value=100nF (schematic designator C48)
C48B "Capacitor 100 nF +/-10% 50 V 0603" CAPC1608X90X40NL10T20#1 8759.17,5667.08 r0 top value=100nF (schematic designator C48)
C48C "Capacitor 100 nF +/-10% 50 V 0603" CAPC1608X90X40NL10T20#1 8744,6160.44 r0 top value=100nF (schematic designator C48)
C48D "Capacitor 100 nF +/-10% 50 V 0603" CAPC1608X90X40NL10T20#1 8600,6650.44 r0 top value=100nF (schematic designator C48)
C48E "Capacitor 100 nF +/-10% 50 V 0603" CAPC1608X90X40NL10T20#1 8603.89,7141.89 r0 top value=100nF (schematic designator C48)
C49A "Capacitor 100 nF +/-10% 50 V 0603" CAPC1608X90X40NL10T20#1 7951.78,5453.6 r0 top value=100nF (schematic designator C49)
C49B "Capacitor 100 nF +/-10% 50 V 0603" CAPC1608X90X40NL10T20#1 7956.97,5935.78 r0 top value=100nF (schematic designator C49)
C49C "Capacitor 100 nF +/-10% 50 V 0603" CAPC1608X90X40NL10T20#1 7941.8,6429.14 r0 top value=100nF (schematic designator C49)
C49D "Capacitor 100 nF +/-10% 50 V 0603" CAPC1608X90X40NL10T20#1 7797.8,6919.14 r0 top value=100nF (schematic designator C49)
C49E "Capacitor 100 nF +/-10% 50 V 0603" CAPC1608X90X40NL10T20#1 7801.69,7410.6 r0 top value=100nF (schematic designator C49)
C50A "Capacitor 100 nF +/-10% 50 V 0603" CAPC1608X90X40ML10T20 2479.95,763.52 r180 top value=100nF (schematic designator C50)
C50B "Capacitor 100 nF +/-10% 50 V 0603" CAPC1608X90X40ML10T20 3527.21,762.04 r180 top value=100nF (schematic designator C50)
C51A "Capacitor 100 nF +/-10% 50 V 0603" CAPC1608X90X40NL10T20#1 1854.44,1204.42 r90 top value=100nF (schematic designator C51)
C51B "Capacitor 100 nF +/-10% 50 V 0603" CAPC1608X90X40NL10T20#1 2901.7,1202.93 r90 top value=100nF (schematic designator C51)
C52A "Capacitor 100 nF +/-10% 50 V 0603" CAPC1608X90X40ML10T20 2132.43,1304 r0 top value=100nF (schematic designator C52)
C52B "Capacitor 100 nF +/-10% 50 V 0603" CAPC1608X90X40ML10T20 3179.69,1302.52 r0 top value=100nF (schematic designator C52)
C53A "Capacitor 100 nF +/-10% 50 V 0603" CAPC1608X90X40ML10T20 1987.43,904 r180 top value=100nF (schematic designator C53)
C53B "Capacitor 100 nF +/-10% 50 V 0603" CAPC1608X90X40ML10T20 3034.69,902.52 r180 top value=100nF (schematic designator C53)
C54A "CC0603KRX7R7BB102" FP-CC0603-DA-IPC_B#1 1794,1042.35 r270 top value=1nF (schematic designator C54)
C54B "CC0603KRX7R7BB102" FP-CC0603-DA-IPC_B#1 2841.26,1040.86 r270 top value=1nF (schematic designator C54)
C55A "GRM188R71A225KE15D" FP-GRM188-0_1-e0_2_0_5-IPC_B 2274.47,1232.94 r0 top value=2.2µF (schematic designator C55)
C55B "GRM188R71A225KE15D" FP-GRM188-0_1-e0_2_0_5-IPC_B 3321.73,1231.46 r0 top value=2.2µF (schematic designator C55)
C56A "Capacitor 100 nF +/-10% 50 V 0603" CAPC1608X90X40ML10T20 2274.47,1152.94 r0 top value=100nF (schematic designator C56)